# Altium PCB lamps+antenna.PcbDoc
Units mm, origin at the board's own origin, x right, y up, seen from the top; angles counter-clockwise.
Board outline 100 x 80 mm, 2 copper layers (Top Layer, Bottom Layer), stack 1.571 mm thick; 21 components, 30 nets, 127 pads, 8 vias.
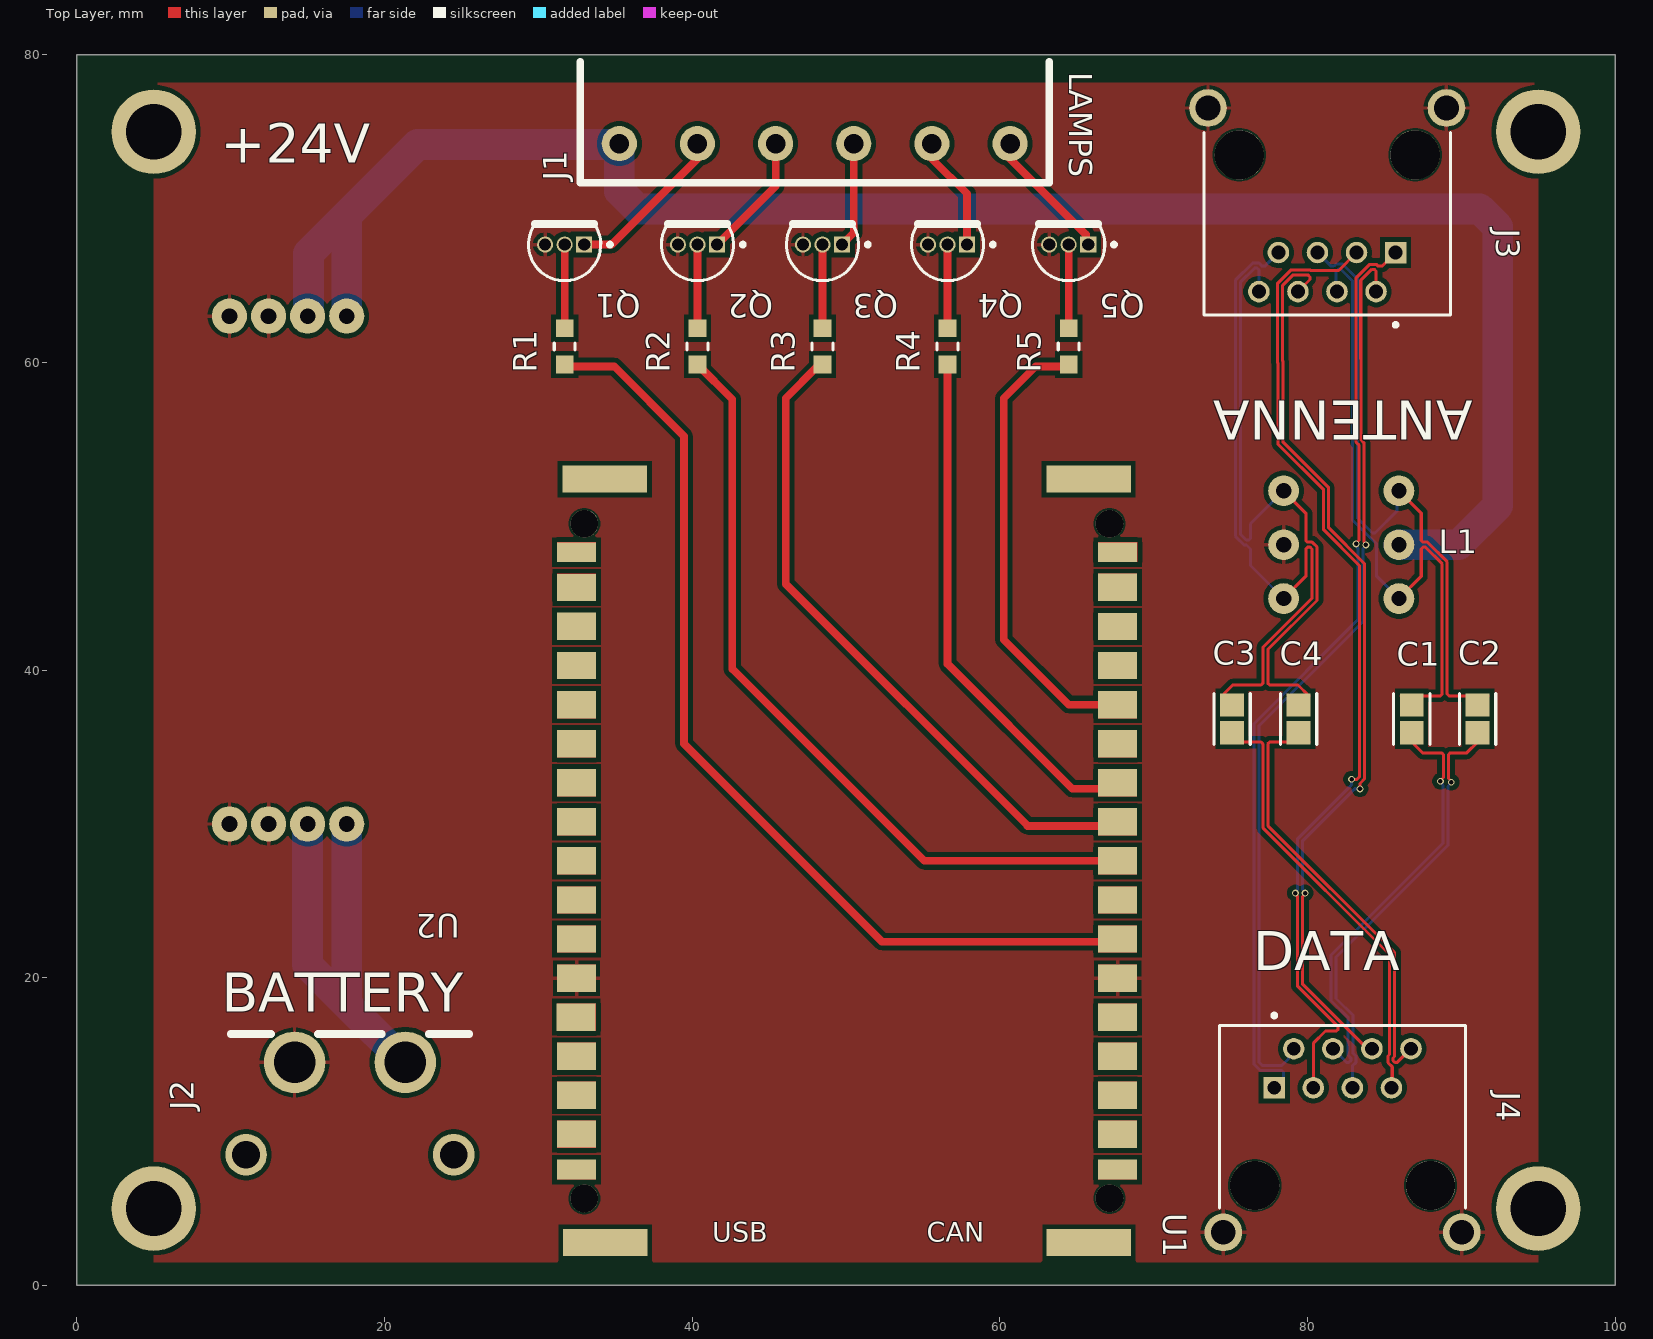
[diagram p0: Top Layer view]
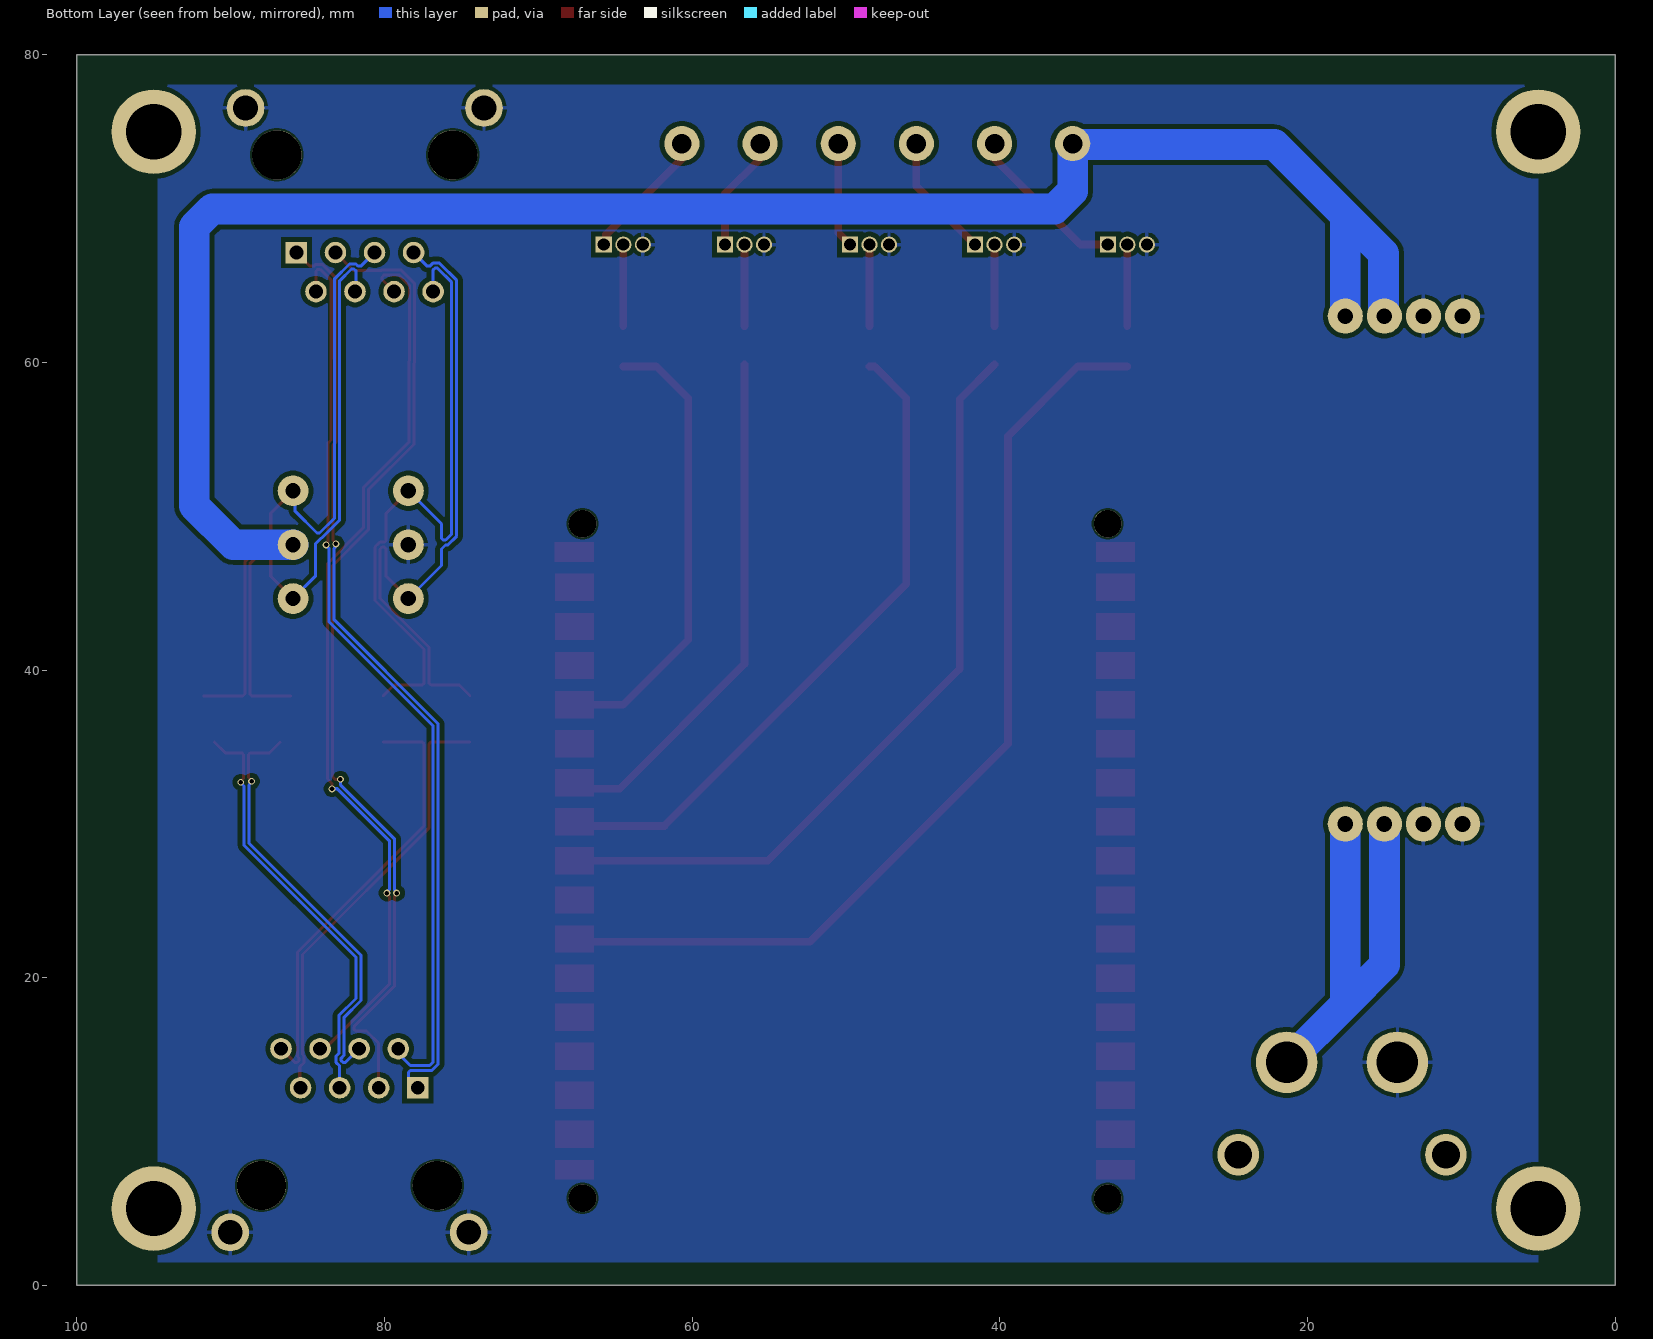
[diagram p1: Bottom Layer view, seen from below]
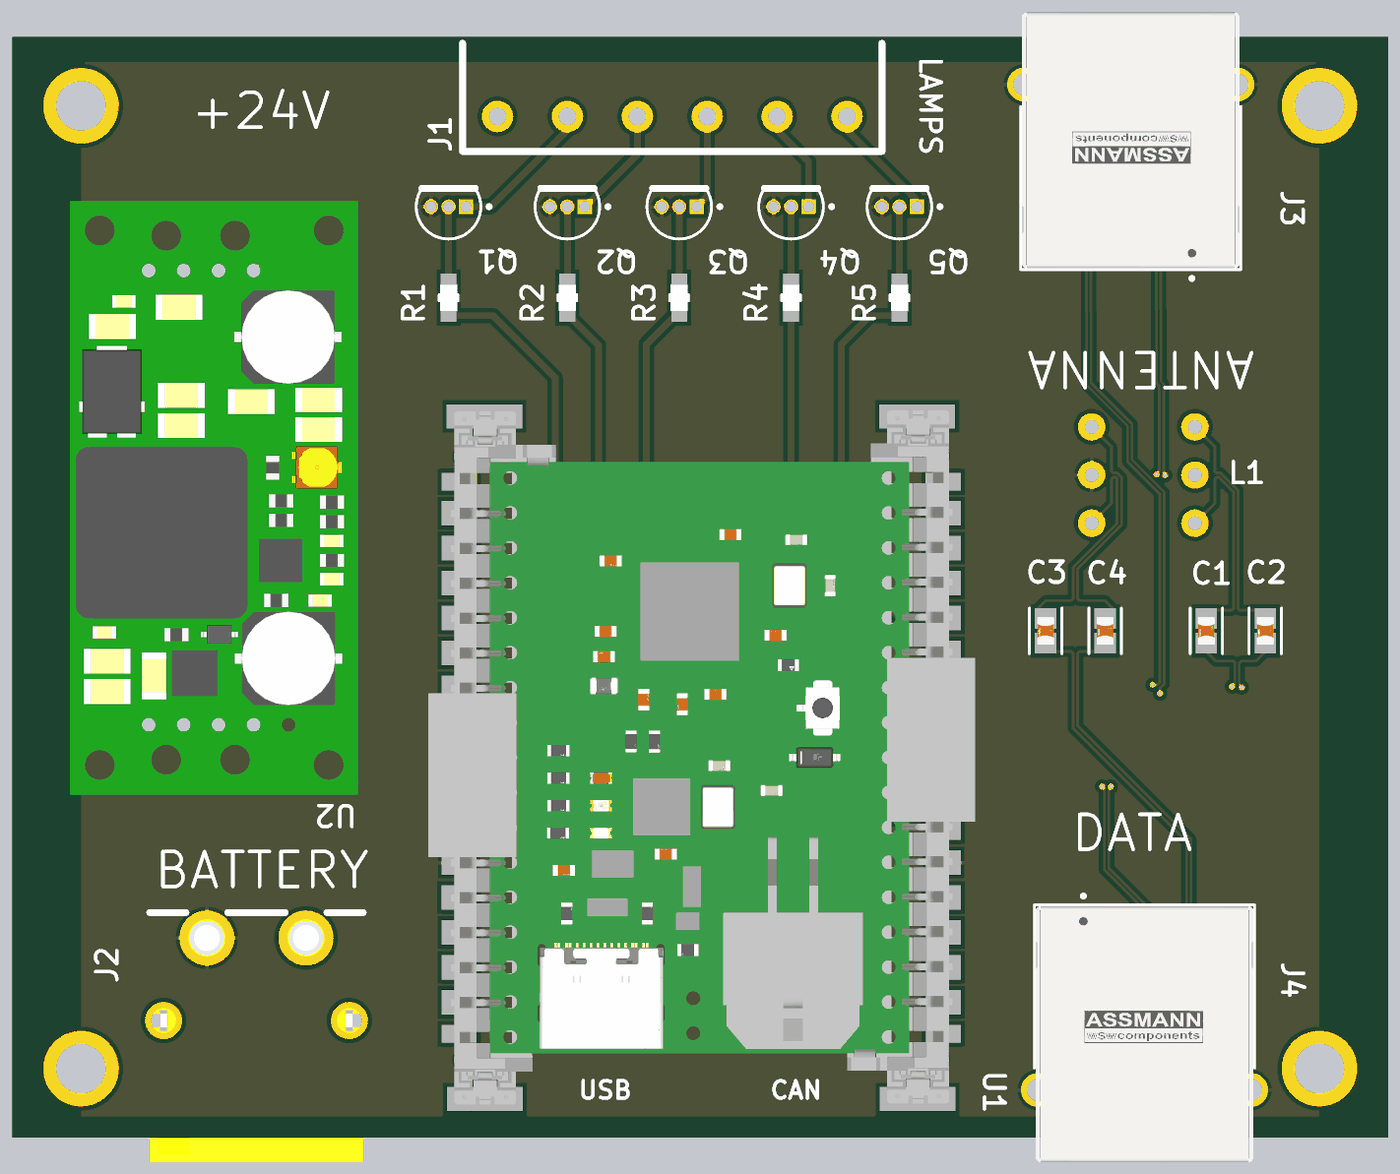
[diagram p2: 3D render of the assembled board from above, using the file's embedded part models]

## Layer stack, top to bottom
Top Solder: solder mask 0.0102, Solder Resist, Dk 3.5
Top Layer: signal copper 0.0356
Dielectric 1: dielectric 1.5, FR-4, Dk 4.8
Bottom Layer: signal copper 0.0356
Bottom Solder: solder mask 0.0102, Solder Resist, Dk 3.5

## Board outline
0,0 0,80 100,80 100,0

## Design rules (kind name [scope] priority, off if disabled: settings)
BoardOutlineClearance [All] p1: gap=0.2 ignorepadtopadclearanceinfootprint=FALSE
Clearance [All] p1: gap=0.3 ignorepadtopadclearanceinfootprint=FALSE except(0.1: Arc-SMDPad Track-SMDPad; 0.12: Arc-Arc Arc-Track Arc-Text Arc-Hole Track-Track Track-Text Track-Hole SMDPad-THPad SMDPad-Via SMDPad-Text SMDPad-Hole THPad-THPad THPad-Via THPad-Text THPad-Hole Via-Via Via-Text Fill-Text Fill-Hole Poly-Text Poly-Hole Region-Text Region-Hole Text-Text Text-Hole; 0.15: SMDPad-SMDPad; 0.2: Arc-Via Track-Via Via-Hole; 0.35: Arc-THPad Track-THPad)
ComponentClearance [All] p1: gap=0.01 collisioncheckmode=3 verticalgap=0.01 showdistances=FALSE
DiffPairsRouting [All] p1: maxlimit=0.127 minlimit=0.127 mostfreqgap=0.127 toplayer_minwidth=0.197 toplayer_maxwidth=1 toplayer_prefwidth=0.25 bottomlayer_minwidth=0.197 bottomlayer_maxwidth=1 bottomlayer_prefwidth=0.25 impedanceprofiledriven=TRUE impedanceprofileid={D65E5639-2237-49F3-B54C-5D6DF3DA0E03} impedanceprofilevalue=100.000000 maxuncoupledlength=20
HoleSize [All] p1: absolutevalues=TRUE maxlimit=6.3 minlimit=0.15 maxpercent=80.000 minpercent=20.000
MinimumAnnularRing [All] p1: minimumring=0.025
MinimumSolderMaskSliver [All] p1: minsoldermaskwidth=0.1
PolygonConnect [All] p1: connectstyle=Relief reliefconductorwidth=0.254 reliefentries=4 polygonreliefangle="90 Angle" airgapwidth=0.254
RoutingVias [All] p1: holewidth=0.3 width=0.45 viastyle="Through Hole" minholewidth=0.15 minwidth=0.25 maxholewidth=6.3 maxwidth=6.5
SilkToSolderMaskClearance [IsPad] p1: minsilkscreentomaskgap=0.15 clearancetoexposedcopper=TRUE
SolderMaskExpansion [All] p1: expansion=0.038 istentingtop=FALSE
SupplyNets "Schematic Supply Nets_3" [InNet('VCC')] p1: voltage=0.000
SupplyNets "Schematic Supply Nets_1" [InNet('+24')] p2: voltage=0.000
SupplyNets "Schematic Supply Nets_2" [InNet('GND')] p3: voltage=0.000
Width [All] p1: maxlimit=2 minlimit=0.16 preferedwidth=0.254 minimp=50.000000 maximp=50.000000 favimp=50.000000
25 further rules are at their usual default settings.

## Classes and differential pairs
differential pair 4: +4_P -4_N
differential pair 4Pow: +4Pow_P -4Pow_N
differential pair 3: +3_P -3_N
differential pair 3Pow: +3Pow_P -3Pow_N
differential pair 2: +2_P -2_N
differential pair 1: +1_P -1_N

## Components (designator, comment, footprint, x,y, rotation, side; value= is the part's Value field where it differs from the comment)
C1 "CC0805KRX7R9BB104" FP-CC0805-0_85-IPC_A 86.781,36.83 r270 top value="100 nF"
C2 "CC0805KRX7R9BB104" FP-CC0805-0_85-IPC_A 91.061,36.83 r270 top value="100 nF"
C3 "CC0805KRX7R9BB104" FP-CC0805-0_85-IPC_A 75.102,36.83 r270 top value="100 nF"
C4 "CC0805KRX7R9BB104" FP-CC0805-0_85-IPC_A 79.426,36.83 r270 top value="100 nF"
J1 "Phoenix 6pins female" "Phoenix 6pins female" 40.344,74.23 r90 top
J2 "XT60PW-M" XT60PW-M 17.75,14.5 r180 top
J3 "A-2004-2-4-LPS-N-R" FP-A-2004-2-4-LPS-N-R-MFG 81.285,72.5 r180 top
J4 "A-2004-2-4-LPS-N-R" FP-A-2004-2-4-LPS-N-R-MFG 82.285,7.5 r0 top
L1 "Transformator" Transformator 82.198,48.158 r0 top
Q1 "BC546B" ONSC-TO-92-3-29-11 31.708,67.668 r180 top
Q2 "BC546B" ONSC-TO-92-3-29-11 40.344,67.668 r180 top
Q3 "BC546B" ONSC-TO-92-3-29-11 48.472,67.668 r180 top
Q4 "BC546B" ONSC-TO-92-3-29-11 56.6,67.668 r180 top
Q5 "BC546B" ONSC-TO-92-3-29-11 64.474,67.668 r180 top
R1 "CR0805-JW-331ELF" FP-CR0805-MFG 31.708,61.048 r90 top
R2 "CR0805-JW-331ELF" FP-CR0805-MFG 40.344,61.048 r90 top
R3 "CR0805-JW-331ELF" FP-CR0805-MFG 48.472,61.048 r90 top
R4 "CR0805-JW-331ELF" FP-CR0805-MFG 56.6,61.048 r90 top
R5 "CR0805-JW-331ELF" FP-CR0805-MFG 64.474,61.048 r90 top
U1 "CANduino on 299-017-299198-1 socket" "CANduino on 299-017-299198-1 socket" 50.644,27.347 r270 top
U2 "Pololu 24V Step-Up/Step-Down Voltage Regulator" S18V20F12 13.73,30 r180 top

## Footprints (in the part's own frame and the unit in brackets; to place one, negate y for a bottom-side part, rotate by r counter-clockwise, add the part's x,y. Pads: shape width x height; smd on the part's side, far side on the other; paste and mask are expansions set on the pad)
"CANduino on 299-017-299198-1 socket" [mil]
  rect 50.79x100 smd: 1(780,670) 17(-800,670) 18(-800.11,-714.83) 34(780,-715)
  rect 70.08x100 smd: 2(690,670) 3(590,670) 4(490,670) 5(390,670) 6(290,670) 7(190,670) 8(90,670) 9(-10,670) 10(-110,670) 11(-210,670) 12(-310,670) 13(-410,670) 14(-510,670) 15(-610,670) 16(-710,670) 19(-709.78,-714.61) 20(-610.61,-715.01) 21(-510.24,-715.41) 22(-410,-715) 23(-310,-715) 24(-210,-715) 25(-110,-715) 26(-10,-715) 27(90,-715) 28(190,-715) 29(290,-715) 30(390,-716) 31(490,-715) 32(590,-715) 33(689,-715)
  round 70.87 hole 70.87 unplated: 35(-873,649) 36(-873,-695) 37(854,-695) 38(853.39,649)
  rect 68.9x216.54 smd: MP1(966.54,596.46) MP2(-987.2,595.47) MP3(-987.2,-642.72) MP4(966.54,-641.73)
  Top Layer region: 355,-764.99 425,-764.99 425,-664.99 355,-664.99
  Top Layer region: 455,-764.99 525,-764.99 525,-664.99 455,-664.99
  Top Layer region: 655,-764.99 725,-764.99 725,-664.99 655,-664.99
  Top Layer region: 555,-764.99 625,-764.99 625,-664.99 555,-664.99
  Top Layer region: 755,-764.99 805.71,-764.99 805.71,-664.99 755,-664.99
  Top Layer region: 255,-764.99 325,-764.99 325,-664.99 255,-664.99
  Top Layer region: 155,-764.99 225,-764.99 225,-664.99 155,-664.99
  Top Layer region: 55,-764.99 125,-764.99 125,-664.99 55,-664.99
  Top Layer region: -45,-764.99 25,-764.99 25,-664.99 -45,-664.99
  Top Layer region: -145,-764.99 -75,-764.99 -75,-664.99 -145,-664.99
  Top Layer region: -445,-764.99 -375,-764.99 -375,-664.99 -445,-664.99
  Top Layer region: -545,-764.99 -475,-764.99 -475,-664.99 -545,-664.99
  Top Layer region: -345,-764.99 -275,-764.99 -275,-664.99 -345,-664.99
  Top Layer region: -245,-764.99 -175,-764.99 -175,-664.99 -245,-664.99
  Top Layer region: -826.02,-765.36 -774.65,-765.36 -774.65,-664.72 -826.02,-664.72
  Top Layer region: -645,-764.99 -575,-764.99 -575,-664.99 -645,-664.99
  Top Layer region: -745,-764.99 -675,-764.99 -675,-664.99 -745,-664.99
  Top Layer region: 755,620.01 805.71,620.01 805.71,720.01 755,720.01
  Top Layer region: 555,620.01 625,620.01 625,720.01 555,720.01
  Top Layer region: 455,620.01 525,620.01 525,720.01 455,720.01
  Top Layer region: 655,620.01 725,620.01 725,720.01 655,720.01
  Top Layer region: 355,620.01 425,620.01 425,720.01 355,720.01
  Top Layer region: 255,620.01 325,620.01 325,720.01 255,720.01
  Top Layer region: 155,620.01 225,620.01 225,720.01 155,720.01
  Top Layer region: 55,620.01 125,620.01 125,720.01 55,720.01
  Top Layer region: -145,620.01 -75,620.01 -75,720.01 -145,720.01
  Top Layer region: -345,620.01 -275,620.01 -275,720.01 -345,720.01
  Top Layer region: -545,620.01 -475,620.01 -475,720.01 -545,720.01
  Top Layer region: -445,620.01 -375,620.01 -375,720.01 -445,720.01
  Top Layer region: -745,620.01 -675,620.01 -675,720.01 -745,720.01
  Top Layer region: -645,620.01 -575,620.01 -575,720.01 -645,720.01
  Top Layer region: -45,620.01 25,620.01 25,720.01 -45,720.01
  Top Layer region: -245,620.01 -175,620.01 -175,720.01 -245,720.01
  Top Layer region: -826.02,619.64 -774.65,619.64 -774.65,720.28 -826.02,720.28
  body extent -1004,-804 982,761, height 515
FP-A-2004-2-4-LPS-N-R-MFG [mm]
  rect 1.4x1.4 hole 0.9 paste-2539.97 mask+0: 1(-4.445,5.35)
  round 1.4 hole 0.9 paste-2539.97 mask+0: 2(-3.175,7.89) 3(-1.905,5.35) 4(-0.635,7.89) 5(0.635,5.35) 6(1.905,7.89) 7(3.175,5.35) 8(4.445,7.89)
  round 2.45 hole 1.6 paste-2539.97 mask+0: 9(-7.75,-4.05) 10(7.75,-4.05)
  round 3.2 hole 3.2 unplated paste-2539.97 mask+0: ""(-5.715,-1) ""(5.715,-1)
  silkscreen extent -8,-2.45 8,10.17, body extent -9.08,-9.5 9.08,9.5, height 0.25
FP-CC0805-0_85-IPC_A [mm]
  rect 1.505x1.556 smd paste+0 mask+0: 1(-0.901,0) 2(0.901,0)
  silkscreen extent -1.65,-1.18 1.65,1.18, body extent -2.15,-1.28 2.15,1.28, height 0.25
FP-CR0805-MFG [mm]
  rect 1.15x1.15 smd paste+0 mask+0: 1(-1.175,0) 2(1.175,0)
  silkscreen extent -0.23,-0.67 0.23,0.67, body extent -1.85,-0.77 1.85,0.77, height 0.25
ONSC-TO-92-3-29-11 [mm] "TO, 3-Leads, Body Dia 4.7mm, Pitch 1.27mm"
  rect 1.05x1.05 hole 0.8: 1(-1.27,0)
  round 1.05 hole 0.8: 2(0,0) 3(1.27,0)
  silkscreen extent -3.08,-1.34 2.35,2.35, body extent -2.35,-1.33 2.36,2.36, height 7.87
"Phoenix 6pins female" [mil]
  round 90 hole 50: 1(0,200) 2(0,0) 3(0,-200) 4(0,-400) 5(0,-600) 6(0,-800)
  silkscreen extent -100,-900 -100,300
S18V20F12 [mil]
  round 90 hole 40: GND(50,0) GND(50,-1300) GND(150,0) GND(150,-1300) Vin(-150,0) Vin(-50,0) Vout(-150,-1300) Vout(-50,-1300)
  body extent -450,-1500 375,200, height 416
Transformator [mm]
  round 2 hole 1: 1(-3.75,0) 2(-3.75,3.5) 3(-3.75,-3.5) 4(3.75,-3.5) 5(3.75,3.5) 6(3.75,0)
  body extent -5,-5 5,5, height 13
XT60PW-M [mm]
  round 4 hole 2.7: 1(3.6,0) 2(-3.6,0)
  round 2.7 hole 1.8: 3(6.75,6) 4(-6.75,6)
  silkscreen extent -7.75,-1.85 7.75,-1.85, body extent -7.75,-1.85 7.75,16.35, height 8.4

## Part data
C1 C2 C3 C4: library part CMP-2100-03606-3, "CAP CER 0.1UF 50V X7R 0805", Capacitance="100 nF", Manufacturer=Yageo, Package=CC0805-0.85, Temperature="-30°C to +85°C", Temperature Characteristic=X7R, Temperature Range High=+85°C, Temperature Range Low=-30°C, Tolerance=0.1, Voltage Rating="50 V", Automotive=No, Category=Cap, ComponentLink2Description=Datasheet, ComponentLink2URL=http://www.yageo.com/documents/recent/UPY-GPHC_Y5V_6.3V-to-50V_8.pdf, Device Class L1="Passive Components", Device Class L2=Capacitors, Device Class L3="Ceramic Capacitors", Digikey Description="CAP CER 0.1UF 50V X7R 0805", Footprint Url=http://www.yageo.com/exep/pages/download/literatures/UPY-C_GEN_24.pdf, Height=0.95mm, Ipc Land Pattern Name=CAPC200125X85, Lead Free=Yes, Manufacturer Part Number=CC0805KRX7R9BB104, Material=Ceramic, Mouser Description="Multilayer Ceramic Capacitors MLCC - SMD/SMT 100nF 50V X7R 10%", Octopart=https://octopart.com/cc0805krx7r9bb104-yageo-192993, RoHS=TRUE
J3 J4: library part CMP-39752-000001-1, "CONN MOD JACK 8P8C R/A SHIELDED", Max Current Rating=1.5A, Max Operating Temperature=85°C, Max Voltage Rating (AC)=120V, Min Operating Temperature=-40°C, Package Quantity=100, Connector Type=Jack, Contact Material=Bronze, Contact Plating=Gold, Direction=Down, Gender=Female, Housing Material=PBT, Lead Free="Lead Free", Mount="Through Hole", Number of Contacts=8, Number of Ports=1, Number of Rows=1, Orientation="Right Angle", Packaging=Tray, Pitch=2.54mm, RoHS Compliant=Yes, Series=-, Shielding=Shielded, Termination=Solder
Q1 Q2 Q3 Q4 Q5: library part CMP-1048-01466-1, "Amplifier Transistor, NPN Silicon, 3-Pin TO-92, Bulk Box", Manufacturer="On Semiconductor", ComponentLink1Description="Manufacturer URL", ComponentLink1URL=http://www.onsemi.com/, ComponentLink2Description=Datasheet, ComponentLink2URL=http://www.onsemi.com/pub_link/Collateral/BC546-D.PDF, ComponentLink3Description="Package Specification", ComponentLink3URL=http://www.onsemi.cn/pub_link/Collateral/2N6426-D.PDF, DatasheetVersion="Rev. 7", fT Min (MHz)=150, IC Continuous (A)=0.1, Mounting Technology="Through Hole", Note1=0, PackageDescription="3-Pin Transistor Outline, Body 4.825 x 3.685 mm, Pitch 1.27 mm", PackageReference=TO-92-3-29-11_AM_SL, PackageVersion="Rev. AM", Packing="Bulk Box", PartNumber=BC546B, Polarity=NPN, RoHS=FALSE
R1 R2 R3 R4 R5: library part CMP-07231-005909-1, "Thick Film Chip Resistors 0805 330Ω 0.125W 5% 200ppm/°C", Case Code (Imperial)=0805, Case Code (Metric)=2012, Max Operating Temperature=155°C, Max Power Dissipation=125mW, Min Operating Temperature=-55°C, Package Quantity=1, Resistance=330R, Temperature Coefficient=200ppm/°C, Tolerance=5%, Voltage Rating=150V, Case/Package=0805, Composition="Thick Film", Contact Plating=Tin, Depth=1.25mm, Features="Moisture Resistant", Height=0.024inch, Length=2mm, Military Standard=Not, Mount="Surface Mount", Number of Pins=2, Number of Terminations=2, Packaging="Tape and Reel", Power Rating=125mW, Radiation Hardening=No, REACH SVHC="No SVHC", Termination=SMD/SMT, Thickness=508um, Voltage Rating (DC)=150V, Width=0.049inch
U1: "CANduino board without pins 1, 17, 18 and 34 due to socket specification"
U2: library part S18V20F24

## Free pads (board coordinates)
  round 5.5 hole 3.6: ""(5,5) ""(5,75) ""(95,5) ""(95,75)

## Via types
v1: diameter 0.45, hole 0.3, Top Layer to Bottom Layer, 8 vias

## Nets (pads, with @x,y where several pads share a name; then routed paths per layer and width w, separated by ;. In a path a pad name is that pad's centre, name@x,y a point inside that pad or via, vN(x,y) a via of type N, cw(c..) or ccw(c..) an arc to the next point about the centre after c; other vN are vias at no path point)
1_N: J3.2 J4.2 | length 59.5
  Top Layer w0.197: v1(83.792,48.148) 83.792,48.217 83.683,48.326 83.683,54.755 83.48,54.958 83.48,60.212 83.465,60.227 83.465,65.342 84.182,66.059 84.345,66.059 84.46,65.944 J3.2
  Bottom Layer w0.197: J4.2 79.11,15.08 78.326,14.296 77.062,14.296 76.863,14.495 76.863,36.397 83.601,43.135 83.601,47.903 83.792,48.094 v1(83.792,48.148)
1_P: J3.1 J4.1 | length 60.9
  Top Layer w0.197: v1(83.16,48.216) 83.16,48.258 83.359,48.458 83.359,54.621 83.156,54.824 83.156,60.078 83.141,60.093 83.141,65.477 84.047,66.383 84.479,66.383 84.6,66.262 84.842,66.262 J3.1
  Bottom Layer w0.197: J4.1 78.442,13.452 78.442,13.857 78.326,13.972 76.928,13.972 76.539,14.361 76.539,36.531 83.277,43.269 83.277,47.923 83.208,47.992 83.208,48.167 v1(83.16,48.216)
2_N: J3.6 J4.6 | length 59.3
  Top Layer w0.197: J3.6 80.169,65.399 80.169,65.562 80.054,65.678 79.04,65.678 78.385,65.022 78.385,60.103 78.4,60.088 78.4,54.844 81.378,51.866 81.378,49.257 83.711,46.924 83.711,32.937 83.409,32.634 83.409,32.292 v1(83.417,32.283) ; v1(79.844,25.51) 79.844,25.441 79.689,25.286 79.689,19.581 83.879,15.39 J4.6
  Bottom Layer w0.197: v1(79.844,25.51) 79.844,25.578 79.689,25.734 79.689,28.914 83.067,32.292 83.409,32.292 v1(83.417,32.283)
2_P: J3.3 J4.3 | length 64.7
  Top Layer w0.197: v1(79.209,25.51) 79.209,25.441 79.365,25.286 79.365,19.447 81.994,16.817 81.994,16.654 81.879,16.538 81.174,16.538 80.38,15.744 J4.3 ; v1(82.867,32.91) 82.876,32.901 83.218,32.901 83.387,33.071 83.387,46.79 81.054,49.123 81.054,51.732 78.076,54.71 78.076,59.954 78.061,59.969 78.061,65.156 78.906,66.002 80.188,66.002 80.201,65.988 82.028,65.988 J3.3
  Bottom Layer w0.197: v1(79.209,25.51) 79.209,25.578 79.365,25.734 79.365,29.048 82.876,32.559 82.876,32.901 v1(82.867,32.91)
3_N: C2.2 J4.5 | length 27.7
  Top Layer w0.197: v1(89.348,32.715) 89.348,32.776 89.167,32.957 89.167,34.233 89.167,34.511 89.282,34.626 90.358,34.626 C2.2@91.061,35.33
  Bottom Layer w0.197: J4.5 82.92,14.263 83.14,14.483 83.14,14.915 82.969,15.086 82.969,17.546 81.857,18.658 81.857,21.337 89.149,28.629 89.149,30.397 89.132,30.414 89.132,32.473 89.348,32.69 v1(89.348,32.715)
3_P: C1.2 J4.4 | length 27.6
  Top Layer w0.197: C1.2@86.781,35.33 87.484,34.626 88.728,34.626 88.843,34.511 88.843,34.098 88.843,33.023 88.644,32.824 v1(88.644,32.781)
  Bottom Layer w0.197: J4.4 82.538,14.502 82.701,14.502 82.816,14.617 82.816,14.781 82.645,14.952 82.645,17.411 81.533,18.524 81.533,21.471 88.825,28.763 88.825,30.263 88.808,30.28 88.808,32.548 88.644,32.713 v1(88.644,32.781)
3Pow_N: C2.1 J3.5 L1.5 | length 41.3
  Top Layer w0.197: L1.5 87.397,50.21 87.397,48.436 87.512,48.32 87.809,48.32 89.083,47.047 89.083,38.446 89.198,38.33 C2.1@91.764,38.33
  Bottom Layer w0.197: J3.5 81.538,66.262 81.701,66.262 81.85,66.411 82.282,66.411 83.239,65.454 83.239,49.9 84.221,48.918 84.384,48.918 85.83,50.363 85.83,51.54 L1.5
3Pow_P: C1.1 J3.4 L1.4 | length 41.6
  Top Layer w0.197: L1.4 87.397,46.107 87.397,47.881 87.512,47.996 87.675,47.996 88.759,46.913 88.759,38.446 88.644,38.33 C1.1@86.078,38.33
  Bottom Layer w0.197: J3.4 81.869,64.661 81.869,65.972 81.984,66.087 82.148,66.087 82.915,65.32 82.915,49.766 84.087,48.594 84.106,48.594 84.5,48.2 84.5,46.107 L1.4
4_N: C4.2 J4.8 | length 28.3
  Top Layer w0.197: C4.2@80.09,35.33 77.541,35.33 77.426,35.214 77.426,29.894 85.662,21.657 85.662,14.879 85.564,14.781 85.564,14.617 85.679,14.502 85.842,14.502 J4.8
4_P: C3.2 J4.7 | length 28.7
  Top Layer w0.197: C3.2@74.438,35.33 76.987,35.33 77.102,35.214 77.102,29.759 85.338,21.523 85.338,15.013 85.24,14.915 85.24,14.483 85.511,14.212 85.511,12.901 J4.7
4Pow_N: C4.1 J3.8 L1.2 | length 42.2
  Top Layer w0.197: L1.2 79.897,50.21 79.897,48.436 80.012,48.32 80.309,48.32 80.614,48.015 80.614,44.535 77.426,41.346 77.426,39.149 77.541,39.034 79.387,39.034 C4.1@80.09,38.33
  Bottom Layer w0.197: J3.8 76.84,66.023 76.725,66.138 76.562,66.138 75.637,65.213 75.637,48.847 76.021,48.462 76.184,48.462 76.3,48.577 76.3,49.51 L1.2
4Pow_P: C3.1 J3.7 L1.3 | length 43.2
  Top Layer w0.197: C3.1@74.438,38.33 75.141,39.034 76.987,39.034 77.102,39.149 77.102,41.48 80.29,44.669 80.29,47.881 80.175,47.996 80.012,47.996 79.897,47.881 79.897,46.107 L1.3
  Bottom Layer w0.197: J3.7 77.222,66.262 77.059,66.262 76.859,66.462 76.427,66.462 75.313,65.347 75.313,48.713 75.887,48.138 76.043,48.138 76.3,47.881 76.3,46.807 L1.3
+24: J1.1 L1.6 U2.Vout | length 120.5
  Bottom Layer w2: U2.Vout@15,63.02 15.055,63.075 15.055,67.08 17.54,69.565 ; U2.Vout@17.54,63.02 17.54,69.565 ; L1.6 89.833,48.158 92.375,50.7 92.375,68.803 91.203,69.975 36.436,69.975 35.264,71.147 J1.1 35.209,74.175 22.15,74.175 17.54,69.565
GND: J2.1 J3.9 J3.10 J4.9 J4.10 L1.1 Q1.3 Q2.3 Q3.3 Q4.3 Q5.3 U1.6 U1.29 U2.GND
led1: R1.1 U1.7 | length 63.3
  Top Layer w0.5: R1.1@31.708,59.747 34.934,59.747 39.469,55.212 39.469,35.211 52.341,22.339 U1.7@67.789,22.339
led2: R2.1 U1.9 | length 51
  Top Layer w0.5: R2.1 42.6,57.617 42.6,40.08 55.079,27.601 U1.9
led3: R3.1 U1.10 | length 43.2
  Top Layer w0.5: R3.1@48.472,59.747 48.145,59.747 46.08,57.682 46.08,45.6 61.805,29.875 U1.10@67.471,29.875
led4: R4.1 U1.11 | length 33.4
  Top Layer w0.5: R4.1 56.6,40.407 64.71,32.297 U1.11@67.154,32.297
led5: R5.1 U1.13 | length 29.2
  Top Layer w0.5: R5.1@64.474,59.747 62.327,59.747 60.251,57.671 60.251,41.989 64.479,37.761 U1.13@66.949,37.761
NetQ1_2: Q1.2 R1.2 | length 5.3
  Top Layer w0.5: R1.2@31.708,62.349 Q1.2
NetQ2_2: Q2.2 R2.2 | length 5.3
  Top Layer w0.5: R2.2@40.344,62.349 Q2.2
NetQ3_2: Q3.2 R3.2 | length 5.3
  Top Layer w0.5: R3.2@48.472,62.349 Q3.2
NetQ4_2: Q4.2 R4.2 | length 5.3
  Top Layer w0.5: R4.2@56.6,62.349 Q4.2
NetQ5_2: Q5.2 R5.2 | length 5.3
  Top Layer w0.5: R5.2@64.474,62.349 Q5.2
VCC: J2.2 U2.Vin | length 29.7
  Bottom Layer w2: U2.Vin@15,30 15,20.85 17.54,18.31 ; U2.Vin@17.54,29.923 17.54,18.31 ; J2.2 17.54,18.31
Vout1: J1.2 Q1.1 | length 9.7
  Top Layer w0.5: Q1.1 34.756,67.668 J1.2@40.344,73.256
Vout2: J1.3 Q2.1 | length 7.2
  Top Layer w0.5: Q2.1 45.424,71.478 J1.3@45.424,73.256
Vout3: J1.4 Q3.1 | length 5.9
  Top Layer w0.5: Q3.1 50.504,68.43 J1.4@50.504,73.256
Vout4: J1.5 Q4.1 | length 6.5
  Top Layer w0.5: J1.5@55.584,73.256 57.87,70.97 Q4.1
Vout5: J1.6 Q5.1 | length 7.7
  Top Layer w0.5: J1.6@60.664,73.256 65.599,68.321 65.599,67.813 Q5.1
pads on no net: J2.3 J2.4 J3. J4. U1.1 U1.2 U1.3 U1.4 U1.5 U1.8 U1.12 U1.14 U1.15 U1.16 U1.17 U1.18 U1.19 U1.20 U1.21 U1.22 U1.23 U1.24 U1.25 U1.26 U1.27 U1.28 U1.30 U1.31 U1.32 U1.33 U1.34 U1.35 U1.36 U1.37 U1.38 U1.MP1 U1.MP2 U1.MP3 U1.MP4

## Polygon pours and split planes (outlines as drawn)
GND on Bottom Layer "GND_L02_P001" (solid, pour order 1): 5,78.175 5.127,78.048 94.747,78.048 94.747,2.153 94.747,1.95 94.747,1.525 5,1.525
GND on Top Layer "GND_L01_P000" (solid, pour order 0): 5,78.175 95,78.175 95,1.525 5,1.525

## Silkscreen, mask and mechanical layers (free items; w line width, h text height)
Top Overlay:
  lines w0.5: 32.724,71.69 32.724,79.546 ; 63.204,71.69 63.204,79.546
  text "LAMPS" at 64.5,78.873 h1.5 r270
  text "+24V" at 9.362,73 h2.54
  text "ANTENNA" at 90.738,57.506 h2.54 r180
  text "DATA" at 76.491,20.5 h2.54
  text "BATTERY" at 9.432,17.8 h2.54

## Text inside footprints (layer, text, board x,y; h text height)
U1: Top Overlay "USB" at 41.313,2.841 h1.27; Top Overlay "CAN" at 55.25,2.841 h1.27; Mechanical 1 "USB-PORT" at 39.466,8.047 h1; Mechanical 1 "CAN-PORT" at 53.445,7.847 h1